# Altium PCB ToucanEyePCB.PcbDoc (part 1 of 5) (continued)
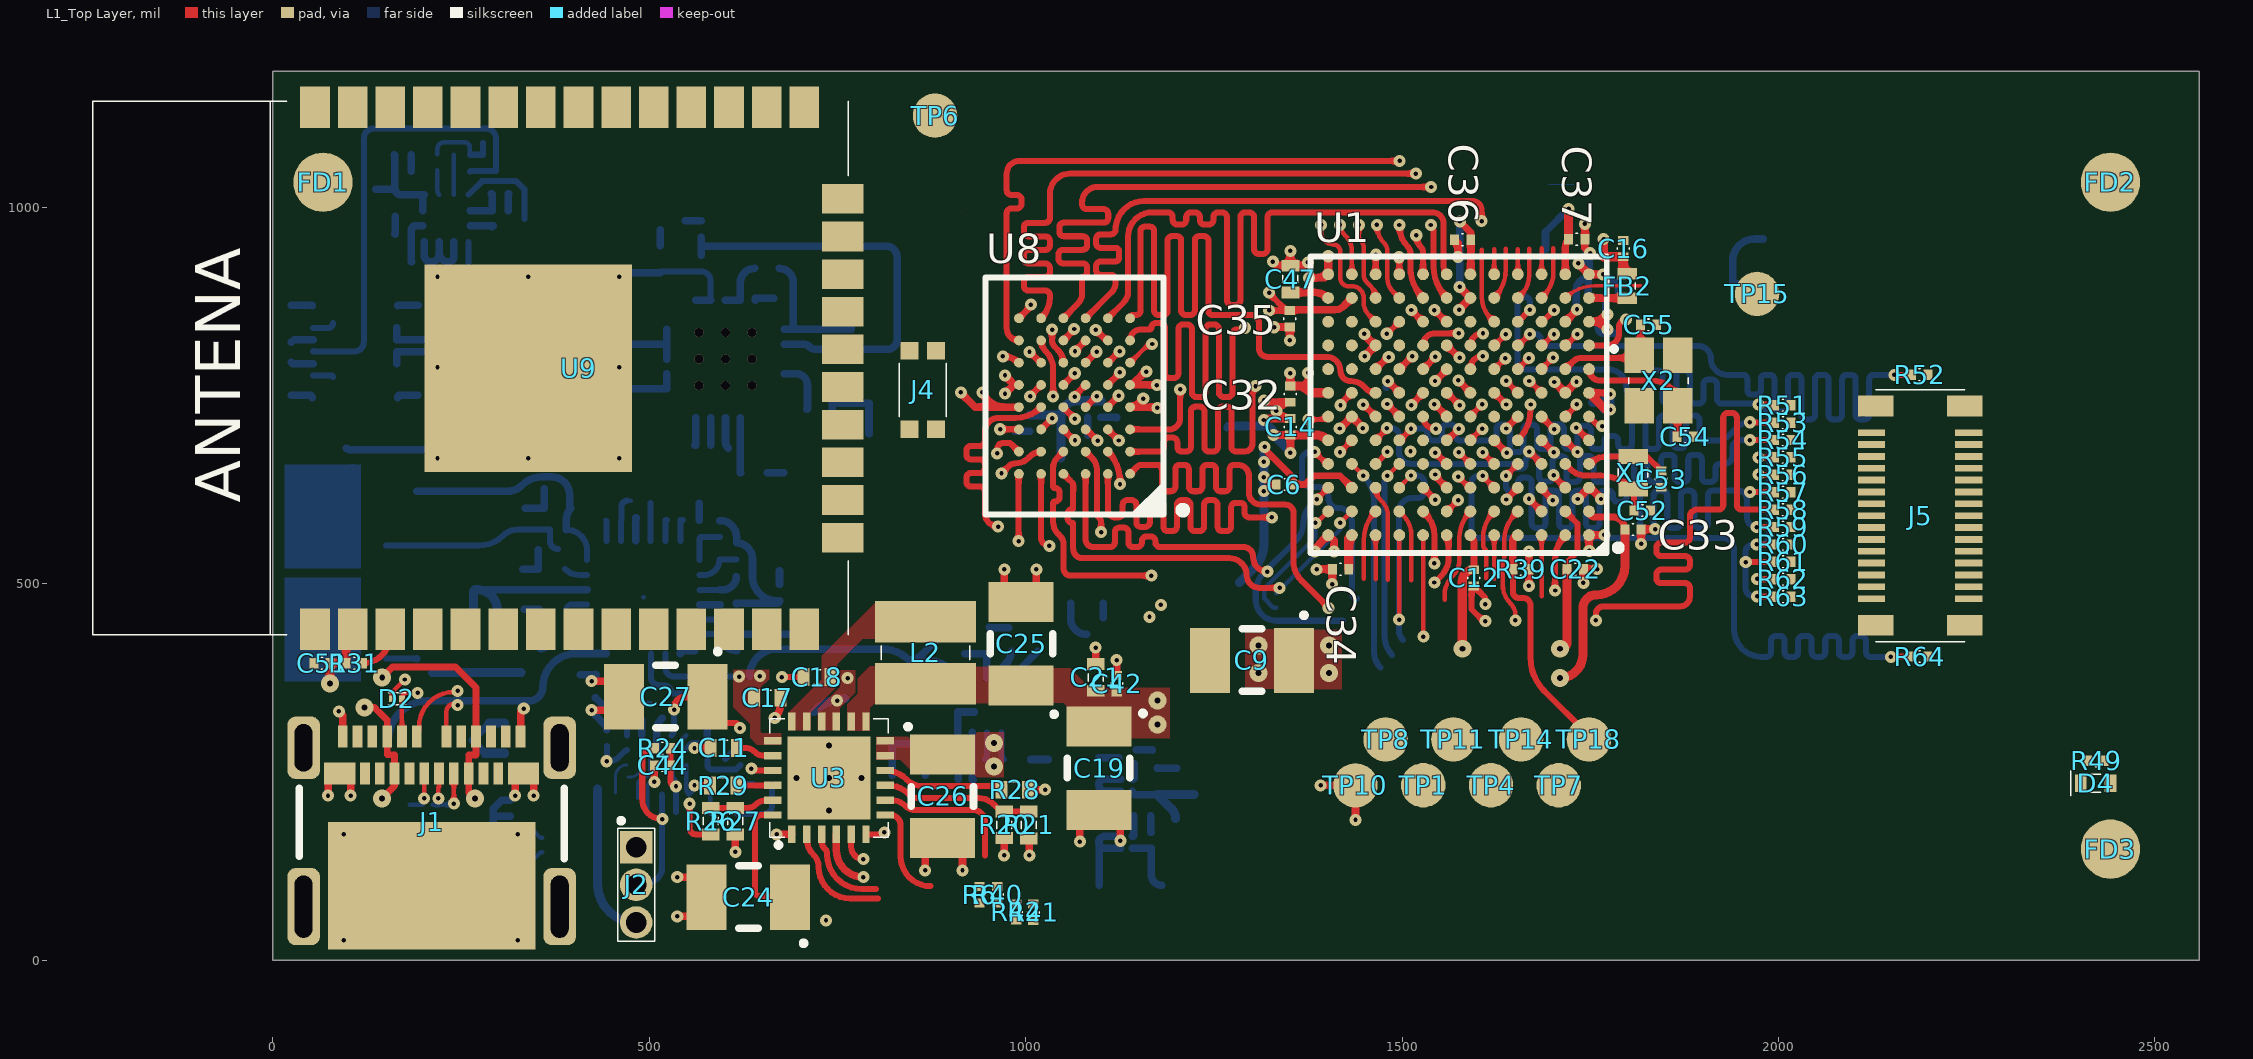
[diagram p0: L1_Top Layer view]
## Part data (continued)
C16: "10000pF ±10% 10V X7R Ceramic Capacitor -55°C ~ 125°C Surface Mount, MLCC 0201 (0603 Metric) 0.024\" L x 0.012\" W (0.60mm x 0.30mm)", Capacitance=10nF, Case/Package=0201, Case Code (Metric)=0603, Dielectric=X7R, Manufacturer=TDK, Manufacturer Part Number=CGA1A2X7R1A103K030BA, Max Operating Temperature=125°C, Min Operating Temperature=-55°C, Package Quantity=15000, Supplier Part Number 1=810-CGA1A2X7R1A103KA, Tolerance=10%, Voltage Rating=10V, *PCBChecked=1, *SCHChecked=1, Case Code (Imperial)=0201, ComponentLink1Description=http://www.mouser.com/ds/2/400/lcc_automotive_general_en-843974.pdf, ComponentLink1URL=http://www.mouser.com/ds/2/400/lcc_automotive_general_en-843974.pdf, ComponentLink2Description=http://product.tdk.com/capacitor/mlcc/en/documents/mlcc_automotive_general_en.pdf, ComponentLink2URL=http://product.tdk.com/capacitor/mlcc/en/documents/mlcc_automotive_general_en.pdf, ComponentLink3Description=https://product.tdk.com/info/en/catalog/datasheets/mlcc_automotive_general_en.pdf, ComponentLink3URL=https://product.tdk.com/info/en/catalog/datasheets/mlcc_automotive_general_en.pdf, Height=0.3mm, Length=0.024inch, Mount="Surface Mount", Packaging="Tape and Reel", Pricing 1="1=0.11, 10=0.075, 50=0.075, 100=0.03, 1000=0.02, 10000=0.015 (USD)", Stock 1=84981, Supplier 1=Mouser, Termination=SMD/SMT, Thickness=0.012inch, Voltage Rating (DC)=10V, Weight=6E-06oz, Width=0.012inch
C17 C47: "2.2µF 25V Ceramic Capacitor X5R 0402 (1005 Metric) 0.039\" L x 0.020\" W (1.00mm x 0.50mm)", Capacitance=2.2uF, Case/Package=0402, Case Code (Metric)=1005, Dielectric=X5R, Manufacturer=Murata, Manufacturer Part Number=GRT155R61E225KE13D, Max Operating Temperature=85°C, Min Operating Temperature=-55°C, Supplier Part Number 1=81-GRT155R61E225KE3D, Tolerance=10%, Voltage Rating=25V, *PCBChecked=1, *SCHChecked=1, Case Code (Imperial)=0402, ComponentLink1Description=http://search.murata.co.jp/Ceramy/image/img/A01X/G101/ENG/GRT155R61E225KE13-01.pdf, ComponentLink1URL=http://search.murata.co.jp/Ceramy/image/img/A01X/G101/ENG/GRT155R61E225KE13-01.pdf, Length=0.039inch, Mount="Surface Mount", Packaging="Cut Tape", Stock 1=15349, Supplier 1=Mouser, Thickness=0.022inch, Voltage Rating (DC)=25V, Width=0.02inch
C18 C28: "Multilayer Ceramic Capacitors MLCC - SMD/SMT .033uF 25Volts 10%", Capacitance=33nF, Case/Package=0402, Case Code (Metric)=1005, Dielectric=X7R, Manufacturer=Murata, Manufacturer Part Number=GCM155R71E333KA55D, Max Operating Temperature=125°C, Min Operating Temperature=-55°C, Package Quantity=10000, Supplier Part Number 1=81-GCM155R71E333KA5D, Tolerance=10%, Voltage Rating=25V, *PCBChecked=1, *SCHChecked=1, Case Code (Imperial)=0402, ComponentLink1Description=https://datasheet.ciiva.com/17453/product-17453653.pdf, ComponentLink1URL=https://datasheet.ciiva.com/17453/product-17453653.pdf, ComponentLink2Description=https://datasheet.ciiva.com/16440/s0717e-16440394.pdf, ComponentLink2URL=https://datasheet.ciiva.com/16440/s0717e-16440394.pdf, ComponentLink3Description=https://datasheet.ciiva.com/164/s0717e-164723.pdf, ComponentLink3URL=https://datasheet.ciiva.com/164/s0717e-164723.pdf, Depth=0.5mm, Height=0.5mm, Lead Free="Lead Free", Length=1mm, Mount="Surface Mount", Packaging="Tape and Reel", Pricing 1="1=0.11, 10=0.091, 50=0.091, 100=0.04, 1000=0.023, 10000=0.015 (USD)", Radiation Hardening=No, REACH SVHC="No SVHC", Stock 1=88789, Supplier 1=Mouser, Termination=SMD/SMT, Thickness=0.022inch, Voltage Rating (DC)=25V, Width=0.02inch
C52 C53: "Multilayer Ceramic Capacitors MLCC - SMD/SMT 0201 5.6pF 50volts C0G +/-0.1pF", Capacitance=5.6pF, Case/Package=0201, Case Code (Metric)=0603, Dielectric=C0G, Manufacturer=Murata, Manufacturer Part Number=GRM0335C1H5R6BA01D, Max Operating Temperature=125°C, Min Operating Temperature=-55°C, Package Quantity=15000, Supplier Part Number 1=81-GRM0335C1H5R6BA1D, Voltage Rating=50V, *PCBChecked=1, *SCHChecked=1, Case Code (Imperial)=0201, ComponentLink1Description=https://datasheet.ciiva.com/29538/partnumbering-e-01-29538488.pdf, ComponentLink1URL=https://datasheet.ciiva.com/29538/partnumbering-e-01-29538488.pdf, Depth=0.3mm, Height=0.3mm, Length=0.6mm, Mount="Surface Mount", Packaging="Tape and Reel", Pricing 1="1=0.1, 10=0.018, 50=0.018, 100=0.008, 1000=0.005, 10000=0.003 (USD)", Stock 1=70824, Supplier 1=Mouser, Termination=SMD/SMT, Thickness=0.013inch, Voltage Rating (DC)=50V, Width=0.012inch
C54 C55: "CAP CER 6.8PF 25V NP0 0201", Capacitance=6.8pF, Case/Package=0201, Case Code (Metric)=0603, Dielectric=C0G, Manufacturer=Murata, Manufacturer Part Number=GJM0335C1E6R8CB01D, Max Operating Temperature=125°C, Min Operating Temperature=-55°C, Package Quantity=1, Supplier Part Number 1=81-GJM0335C1E6R8CB01, Voltage Rating=25V, *PCBChecked=1, *SCHChecked=1, Case Code (Imperial)=0201, ComponentLink1Description=https://datasheet.ciiva.com/11611/product-11611316.pdf, ComponentLink1URL=https://datasheet.ciiva.com/11611/product-11611316.pdf, ComponentLink2Description=https://datasheet.ciiva.com/133/partnumbering-e-01-133418.pdf, ComponentLink2URL=https://datasheet.ciiva.com/133/partnumbering-e-01-133418.pdf, ComponentLink3Description=https://datasheet.ciiva.com/133/partnumbering-e-01-133419.pdf, ComponentLink3URL=https://datasheet.ciiva.com/133/partnumbering-e-01-133419.pdf, ComponentLink4Description=https://datasheet.ciiva.com/11611/product-11611254.pdf, ComponentLink4URL=https://datasheet.ciiva.com/11611/product-11611254.pdf, ComponentLink5Description=https://datasheet.ciiva.com/133/partnumbering-e-01-133417.pdf, ComponentLink5URL=https://datasheet.ciiva.com/133/partnumbering-e-01-133417.pdf, Depth=0.3mm, Height=0.3mm, Lead Free="Lead Free", Length=0.6mm, Mount="Surface Mount", Packaging="Tape and Reel", Pricing 1="1=0.1, 10=0.045, 50=0.045, 100=0.02, 1000=0.011, 10000=0.008 (USD)", Radiation Hardening=No, Stock 1=86677, Supplier 1=Mouser, Termination=SMD/SMT, Thickness=0.013inch, Voltage Rating (DC)=25V, Width=0.3mm
C56 C63: "10µF 6.3V Ceramic Capacitor X6S 0402 (1005 Metric) 0.039\" L x 0.020\" W (1.00mm x 0.50mm)", Capacitance=10uF, Case/Package=0402, Case Code (Metric)=1005, Dielectric=X6S, Manufacturer=Murata, Manufacturer Part Number=GRM155C80J106ME11D, Max Operating Temperature=105°C, Min Operating Temperature=-55°C, Supplier Part Number 1=81-GRM155C80J106ME1D, Tolerance=20%, Voltage Rating=6.3V, *PCBChecked=1, *SCHChecked=1, Case Code (Imperial)=0402, ComponentLink1Description=http://search.murata.co.jp/Ceramy/image/img/A01X/partnumbering_e_01.pdf, ComponentLink1URL=http://search.murata.co.jp/Ceramy/image/img/A01X/partnumbering_e_01.pdf, Length=0.039inch, Mount="Surface Mount", Packaging="Tape and Reel", Pricing 1="1=0.17, 10=0.125, 50=0.125, 100=0.059, 1000=0.034, 10000=0.024 (USD)", Stock 1=134415, Supplier 1=Mouser, Thickness=0.028inch, Voltage Rating (DC)=6.3V, Width=0.02inch
D2 D3: "ESD Suppressor TVS 30KV 2-Pin Case 0201 T/R", Capacitance=12pF, Case/Package=0201, Case Code (Metric)=0603, Leakage Current=100nA, Manufacturer=STMicroelectronics, Max Operating Temperature=150°C, Min Breakdown Voltage=5.8V, Min Operating Temperature=-40°C, Peak Pulse Power=28W, Power Line Protection=No, Reverse Standoff Voltage=5V, Supplier Part Number 1=511-ESDALC5-1BF4, *PCBChecked=1, *SCHChecked=1, Case Code (Imperial)=0201, ComponentLink1Description=https://datasheet.ciiva.com/48533/dm00078968-48533403.pdf, ComponentLink1URL=https://datasheet.ciiva.com/48533/dm00078968-48533403.pdf, Depth=0.3mm, Direction=Bidirectional, Element Configuration=Single, Length=0.6mm, Manufacturer Part Number=ESDALC5-1BF4, Mount="Surface Mount", Number of Bidirectional Channels=1, Number of Pins=2, Packaging="Tape and Reel", Pricing 1="1=0.46, 10=0.296, 50=0.296, 100=0.127, 1000=0.098, 10000=0.066 (USD)", Radiation Hardening=No, Stock 1=11255, Supplier 1=Mouser
D4: Manufacturer=Bivar, Supplier Part Number 1=749-SM0402PGC, *PCBChecked=1, *SCHChecked=1, Manufacturer Part Number=SM0402PGC, Pricing 1="1=0.68, 10=0.44, 50=0.44, 100=0.379, 1000=0.228, 10000=0.184 (USD)", Stock 1=3948, Supplier 1=Mouser
FB1: "Ferrite Beads Multi-Layer 120Ohm 25% 100MHz 2A 50mOhm DCR 0603 Paper T/R", Case/Package=0603, Case Code (Metric)=1608, Current Rating=2A, DC Resistance (DCR)=50mR, Frequency=100MHz, Manufacturer=Murata, Max Operating Temperature=125°C, Min Operating Temperature=-55°C, Package Quantity=1, Supplier Part Number 1=81-BLM18PG121SN1D, Tolerance=25%, *PCBChecked=1, *SCHChecked=1, Case Code (Imperial)=0603, ComponentLink1Description=https://datasheet.ciiva.com/3854/5emiapbde-1-3854039.pdf, ComponentLink1URL=https://datasheet.ciiva.com/3854/5emiapbde-1-3854039.pdf, ComponentLink2Description=https://datasheet.ciiva.com/11799/0900766b81275ca5-11799546.pdf, ComponentLink2URL=https://datasheet.ciiva.com/11799/0900766b81275ca5-11799546.pdf, ComponentLink3Description=https://datasheet.ciiva.com/19454/1845013-19454715.pdf, ComponentLink3URL=https://datasheet.ciiva.com/19454/1845013-19454715.pdf, ComponentLink4Description=https://datasheet.ciiva.com/5709/1740433-5709171.pdf, ComponentLink4URL=https://datasheet.ciiva.com/5709/1740433-5709171.pdf, ComponentLink5Description=https://datasheet.ciiva.com/29347/442365-da-01-en-chip-drossel-0603-120r-2000ma-1-6x0-8mm-29347911.pdf, ComponentLink5URL=https://datasheet.ciiva.com/29347/442365-da-01-en-chip-drossel-0603-120r-2000ma-1-6x0-8mm-29347911.pdf, ComponentLink6Description=https://datasheet.ciiva.com/14122/blm-series-eng-tds-14122905.pdf, ComponentLink6URL=https://datasheet.ciiva.com/14122/blm-series-eng-tds-14122905.pdf, ComponentLink7Description=https://datasheet.ciiva.com/25903/l0110s0100blm18p-25903483.pdf, ComponentLink7URL=https://datasheet.ciiva.com/25903/l0110s0100blm18p-25903483.pdf, ComponentLink8Description=https://datasheet.ciiva.com/6212/l0110s0100blm18p-6212504.pdf, ComponentLink8URL=https://datasheet.ciiva.com/6212/l0110s0100blm18p-6212504.pdf, ComponentLink9Description=https://datasheet.ciiva.com/6212/l0110s0100blm18p-6212502.pdf, ComponentLink9URL=https://datasheet.ciiva.com/6212/l0110s0100blm18p-6212502.pdf, ComponentLink10Description=https://datasheet.ciiva.com/8021/1740433-8021493.pdf, ComponentLink10URL=https://datasheet.ciiva.com/8021/1740433-8021493.pdf, ComponentLink11Description=https://datasheet.ciiva.com/3081/l0110s0100blm18p-3081632.pdf, ComponentLink11URL=https://datasheet.ciiva.com/3081/l0110s0100blm18p-3081632.pdf, ComponentLink12Description=https://datasheet.ciiva.com/8021/1740433-8021494.pdf, ComponentLink12URL=https://datasheet.ciiva.com/8021/1740433-8021494.pdf, ComponentLink13Description=https://datasheet.ciiva.com/41449/001172297-da-01-en-drossel-0603-120r-1-6x0-8mm-4000st-41449659.pdf, ComponentLink13URL=https://datasheet.ciiva.com/41449/001172297-da-01-en-drossel-0603-120r-1-6x0-8mm-4000st-41449659.pdf, Core Material=Ferrite, DC Current=2A, Depth=0.8mm, Height=0.8mm, Impedance=120R, Lead Free="Lead Free", Length=1.6mm, Manufacturer Part Number=BLM18PG-121SN1D, Material=Steel,Ferrite, Max Current Rating=2A, Max DC Current=2A, Number of Circuits=1, Number of Lines=1, Number of Pins=2, Packaging="Tape and Reel", Pricing 1="1=0.1, 10=0.06, 50=0.06, 100=0.035, 1000=0.025, 10000=0.021 (USD)", Radiation Hardening=No, REACH SVHC="No SVHC", Shielding=Unshielded, Stock 1=217227, Supplier 1=Mouser, Termination=SMD/SMT, Test Frequency=100MHz, Width=0.8mm
FB2: "MURATA         BLM15AG121SN1D             FERRITE BEAD, 0.25OHM, 500MA, 0402", Case/Package=0402, Case Code (Metric)=1005, Current Rating=550mA, DC Current=500mA, DC Resistance (DCR)=190mR, Frequency=100MHz, Manufacturer=Murata, Max Operating Temperature=125°C, Min Operating Temperature=-55°C, Package Quantity=1, Supplier Part Number 1=81-BLM15AG121SN1D, Tolerance=25%, *PCBChecked=1, *SCHChecked=1, Case Code (Imperial)=0402, ComponentLink1Description=https://datasheet.ciiva.com/34302/1844660-34302798.pdf, ComponentLink1URL=https://datasheet.ciiva.com/34302/1844660-34302798.pdf, ComponentLink2Description=https://datasheet.ciiva.com/18090/getdatasheetpartid-210548-18090179.pdf, ComponentLink2URL=https://datasheet.ciiva.com/18090/getdatasheetpartid-210548-18090179.pdf, ComponentLink3Description=https://datasheet.ciiva.com/11800/0900766b811b5866-11800861.pdf, ComponentLink3URL=https://datasheet.ciiva.com/11800/0900766b811b5866-11800861.pdf, ComponentLink4Description=https://datasheet.ciiva.com/41449/001172160-da-01-en-drossel-0402-120r-1-0x0-5mm-10000st-41449449.pdf, ComponentLink4URL=https://datasheet.ciiva.com/41449/001172160-da-01-en-drossel-0402-120r-1-0x0-5mm-10000st-41449449.pdf, ComponentLink5Description=https://datasheet.ciiva.com/29347/442175-da-01-en-chip-drossel-0402-120r-500ma-1-0x0-5mm-29347874.pdf, ComponentLink5URL=https://datasheet.ciiva.com/29347/442175-da-01-en-chip-drossel-0402-120r-500ma-1-0x0-5mm-29347874.pdf, ComponentLink6Description=https://datasheet.ciiva.com/6212/l0110s0100blm15ag-sn-6212527.pdf, ComponentLink6URL=https://datasheet.ciiva.com/6212/l0110s0100blm15ag-sn-6212527.pdf, ComponentLink7Description=https://datasheet.ciiva.com/14122/blm-series-eng-tds-14122927.pdf, ComponentLink7URL=https://datasheet.ciiva.com/14122/blm-series-eng-tds-14122927.pdf, ComponentLink8Description=https://datasheet.ciiva.com/3081/l0110s0100blm15ag-sn-3081599.pdf, ComponentLink8URL=https://datasheet.ciiva.com/3081/l0110s0100blm15ag-sn-3081599.pdf, ComponentLink9Description=https://datasheet.ciiva.com/3081/l0110s0100blm15ag-sn-3081598.pdf, ComponentLink9URL=https://datasheet.ciiva.com/3081/l0110s0100blm15ag-sn-3081598.pdf, ComponentLink10Description=https://datasheet.ciiva.com/1466/5144-1466741.pdf, ComponentLink10URL=https://datasheet.ciiva.com/1466/5144-1466741.pdf, ComponentLink11Description=https://datasheet.ciiva.com/1466/5144-1466740.pdf, ComponentLink11URL=https://datasheet.ciiva.com/1466/5144-1466740.pdf, ComponentLink12Description=https://datasheet.ciiva.com/17279/l0110s0100blm15ag-sn-17279627.pdf, ComponentLink12URL=https://datasheet.ciiva.com/17279/l0110s0100blm15ag-sn-17279627.pdf, ComponentLink13Description=https://datasheet.ciiva.com/6212/l0110s0100blm15ag-sn-6212533.pdf, ComponentLink13URL=https://datasheet.ciiva.com/6212/l0110s0100blm15ag-sn-6212533.pdf, Core Material=Ferrite, Depth=0.55mm, Height=0.5mm, Impedance=120R, Lead Free="Lead Free", Length=1mm, Manufacturer Part Number=BLM15AG121SN1D, Material=Steel,Ferrite, Max Current Rating=550mA, Max DC Current=500mA, Military Standard=Not, Number of Circuits=1, Number of Lines=1, Number of Pins=2, Packaging="Tape and Reel", Pricing 1="1=0.1, 10=0.06, 50=0.06, 100=0.035, 1000=0.025, 10000=0.02 (USD)", Radiation Hardening=No, REACH SVHC="No SVHC", Shielding=Unshielded, Stock 1=102744, Supplier 1=Mouser, Termination=SMD/SMT, Test Frequency=100MHz, Width=0.5mm
FB3 FB4: "MURATA         BLM18EG121SN1D            FERRITE BEAD, 0.04OHM, 2A, 0603", Case/Package=0603, Case Code (Metric)=1608, Current Rating=2A, DC Resistance (DCR)=40mR, Frequency=100MHz, Manufacturer=Murata, Max Operating Temperature=125°C, Min Operating Temperature=-55°C, Package Quantity=1, Supplier Part Number 1=81-BLM18EG121SN1D, Tolerance=25%, *PCBChecked=1, *SCHChecked=1, Case Code (Imperial)=0603, ComponentLink1Description=https://datasheet.ciiva.com/34302/1844926-34302803.pdf, ComponentLink1URL=https://datasheet.ciiva.com/34302/1844926-34302803.pdf, ComponentLink2Description=https://datasheet.ciiva.com/11795/0900766b811b5866-11795397.pdf, ComponentLink2URL=https://datasheet.ciiva.com/11795/0900766b811b5866-11795397.pdf, ComponentLink3Description=https://datasheet.ciiva.com/41449/001172264-da-01-en-drossel-0603-120r-1-6x0-8mm-4000st-41449582.pdf, ComponentLink3URL=https://datasheet.ciiva.com/41449/001172264-da-01-en-drossel-0603-120r-1-6x0-8mm-4000st-41449582.pdf, ComponentLink4Description=https://datasheet.ciiva.com/41449/001171698-da-01-en-chip-drossel0603-120r-2000ma-1-6x0-8mm-41449378.pdf, ComponentLink4URL=https://datasheet.ciiva.com/41449/001171698-da-01-en-chip-drossel0603-120r-2000ma-1-6x0-8mm-41449378.pdf, ComponentLink5Description=https://datasheet.ciiva.com/14122/blm-series-eng-tds-14122904.pdf, ComponentLink5URL=https://datasheet.ciiva.com/14122/blm-series-eng-tds-14122904.pdf, ComponentLink6Description=https://datasheet.ciiva.com/3081/l0110s0101blm18e-3081624.pdf, ComponentLink6URL=https://datasheet.ciiva.com/3081/l0110s0101blm18e-3081624.pdf, ComponentLink7Description=https://datasheet.ciiva.com/17279/l0110s0101blm18e-17279548.pdf, ComponentLink7URL=https://datasheet.ciiva.com/17279/l0110s0101blm18e-17279548.pdf, ComponentLink8Description=https://datasheet.ciiva.com/18092/getdatasheetpartid-120977-18092965.pdf, ComponentLink8URL=https://datasheet.ciiva.com/18092/getdatasheetpartid-120977-18092965.pdf, ComponentLink9Description=https://datasheet.ciiva.com/1467/5169-1467155.pdf, ComponentLink9URL=https://datasheet.ciiva.com/1467/5169-1467155.pdf, ComponentLink10Description=https://datasheet.ciiva.com/1467/5169-1467156.pdf, ComponentLink10URL=https://datasheet.ciiva.com/1467/5169-1467156.pdf, ComponentLink11Description=https://datasheet.ciiva.com/16387/l0110s0101blm18e-16387655.pdf, ComponentLink11URL=https://datasheet.ciiva.com/16387/l0110s0101blm18e-16387655.pdf, ComponentLink12Description=https://datasheet.ciiva.com/6211/l0110s0101blm18e-6211463.pdf, ComponentLink12URL=https://datasheet.ciiva.com/6211/l0110s0101blm18e-6211463.pdf, Core Material=Ferrite, DC Current=2A, Depth=0.8mm, Height=0.8mm, Impedance=120R, Lead Free="Lead Free", Length=1.6mm, Manufacturer Part Number=BLM18EG121SN1D, Material=Steel,Ferrite, Max Current Rating=2A, Max DC Current=2A, Military Standard=Not, Number of Circuits=1, Number of Lines=1, Number of Pins=2, Packaging="Tape and Reel", Pricing 1="1=0.23, 10=0.134, 50=0.134, 100=0.095, 1000=0.073, 10000=0.058 (USD)", Radiation Hardening=No, REACH SVHC="No SVHC", Stock 1=9180, Supplier 1=Mouser, Termination=SMD/SMT, Test Frequency=100MHz, Weight=7.1E-05oz, Width=0.8mm
J1: "MOLEX         105450-0101             USB Connector, USB Type C, USB 3.1, Receptacle, 24 Ways, Surface Mount, Right Angle", Manufacturer=Molex, Max Operating Temperature=85°C, Min Operating Temperature=-30°C, Supplier Part Number 1=538-105450-0101, *PCBChecked=1, *SCHChecked=1, ComponentLink1Description=http://www.farnell.com/datasheets/2015275.pdf, ComponentLink1URL=http://www.farnell.com/datasheets/2015275.pdf, ComponentLink2Description=http://www.literature.molex.com/SQLImages/kelmscott/Molex/PDF_Images/987651-4081.PDF, ComponentLink2URL=http://www.literature.molex.com/SQLImages/kelmscott/Molex/PDF_Images/987651-4081.PDF, ComponentLink3Description=http://www.molex.com/pdm_docs/sd/1054500101_sd.pdf, ComponentLink3URL=http://www.molex.com/pdm_docs/sd/1054500101_sd.pdf, Connector Type="USB type C", Contact Material="Copper Alloy", Contact Plating=Nickel,Gold, Gender=Receptacle, Housing Material=Thermoplastic, Length=8.94mm, Manufacturer Part Number=105450-0101, Mount="Surface Mount,Horizontal", Number of Contacts=24, Number of Ports=1, Number of Terminals=24, Orientation="Right Angle", Packaging="Tape and Reel", Pitch=0.5mm, Pricing 1="1=1.87, 10=1.69, 50=1.69, 100=1.54, 1000=1.31, 10000=1.02 (USD)", REACH SVHC=Unknown, Stock 1=15165, Supplier 1=Mouser, Termination=Solder, USB Standard="USB 3.1"
J3: "CONN RCPT 10POS 0.4MM SMD GOLD", Manufacturer=Hirose, Package Quantity=1, Supplier Part Number 1=798-BM10NB0610DS4V51, *PCBChecked=1, *SCHChecked=1, ComponentLink1Description=http://www.mouser.com/catalog/specsheets/BM10_Flyer.pdf, ComponentLink1URL=http://www.mouser.com/catalog/specsheets/BM10_Flyer.pdf, ComponentLink2Description=https://www.hirose.com/product/download/?distributor=digikey&type=2d&lang=en&num=BM10NB(0.6)-10DS-0.4V(51), ComponentLink2URL=https://www.hirose.com/product/download/?distributor=digikey&type=2d&lang=en&num=BM10NB(0.6)-10DS-0.4V(51), Connector Type=Receptacle, Contact Plating=Gold, Manufacturer Part Number=BM10NB(0.6)-10DS-0.4V(51), Mount="Surface Mount", Number of Positions=10, Number of Rows=2, Packaging="Tape and Reel", Pitch=0.016inch, Pricing 1="1=0.63, 10=0.501, 50=0.501, 100=0.414, 1000=0.326, 10000=0.263 (USD)", Stack Height=0.6mm, Stock 1=3831, Supplier 1=Mouser, Termination=SMD/SMT
J4: "Tactile Switch SPST-NO Top Actuated Surface Mount", Manufacturer=Panasonic, Max Operating Temperature=85°C, Min Operating Temperature=-40°C, Operating Force=160gf, Supplier Part Number 1=667-EVP-BB2A9B000, *PCBChecked=1, *SCHChecked=1, ComponentLink1Description=//media.digikey.com/pdf/Data%20Sheets/Panasonic%20Switches%20PDFs/EVP-BB_Series_NPI.pdf, ComponentLink1URL=//media.digikey.com/pdf/Data%20Sheets/Panasonic%20Switches%20PDFs/EVP-BB_Series_NPI.pdf, Illumination Type=Non-Illuminated, Lead Free="Lead Free", Manufacturer Part Number=EVP-BB2A9B000, Mechanical Life=500000Cycles, Mount="Surface Mount", Packaging="Tape and Reel", Pricing 1="1=0.7, 10=0.528, 50=0.528, 100=0.462, 1000=0.32, 10000=0.266 (USD)", Stock 1=15065, Supplier 1=Mouser, Switch Function=Off-Mom, Switch Travel=0.11mm, Termination="Gull Wing", Throw Configuration=SPST
J5: "CONN SOCKET F4S .4MM 30POS SMD", Contact Resistance=90mR, Current Rating=300mA, Insulation Resistance=1GR, Manufacturer=Panasonic, Max Current Rating=5A, Max Operating Temperature=85°C, Max Voltage Rating (AC)=60V, Min Operating Temperature=-55°C, Package Quantity=1, Supplier Part Number 1=769-AXT530124, *PCBChecked=1, *SCHChecked=1, ComponentLink1Description=http://components.arrow.com/part/dataview/0323_03238060, ComponentLink1URL=http://components.arrow.com/part/dataview/0323_03238060, ComponentLink2Description=http://components.arrow.com/part/dataview/46992153S8061598N2972, ComponentLink2URL=http://components.arrow.com/part/dataview/46992153S8061598N2972, ComponentLink3Description=http://www.mouser.com/ds/2/315/f4s-catalog-1075850.pdf, ComponentLink3URL=http://www.mouser.com/ds/2/315/f4s-catalog-1075850.pdf, ComponentLink4Description=http://www.onlinecomponents.com/datasheet/axt530124.aspx?p=10552986, ComponentLink4URL=http://www.onlinecomponents.com/datasheet/axt530124.aspx?p=10552986, ComponentLink5Description=https://www.verical.com/server-webapp/html/getDatasheet?partID=80226, ComponentLink5URL=https://www.verical.com/server-webapp/html/getDatasheet?partID=80226, ComponentLink6Description=http://www3.panasonic.biz/ac/e_download/control/connector/base-fpc/catalog/con_eng_f4s.pdf, ComponentLink6URL=http://www3.panasonic.biz/ac/e_download/control/connector/base-fpc/catalog/con_eng_f4s.pdf, ComponentLink7Description=http://panasonic-denko.co.jp/ac/e_download/control/connector/base-fpc/catalog/con_eng_f4s.pdf?via=ok, ComponentLink7URL=http://panasonic-denko.co.jp/ac/e_download/control/connector/base-fpc/catalog/con_eng_f4s.pdf?via=ok, Connector Type=Socket, Contact Material="Copper Alloy", Contact Plating=Nickel,Gold, Depth=3mm, Housing Material=Polymer, Lead Free="Lead Free", Length=8.5mm, Manufacturer Part Number=AXT530124, Max Voltage Rating (DC)=60V, Mount="Surface Mount", Number of Contacts=30, Number of Positions=30, Number of Rows=2, Orientation=Straight, Packaging="Tape and Reel", Pitch=0.4mm, Pricing 1="1=2.05, 10=1.75, 50=1.75, 100=1.45, 1000=1.14, 10000=1.02 (USD)", Radiation Hardening=No, Stock 1=5060, Supplier 1=Mouser, Termination=Solder, Voltage Rating=60V
L1: "WURTH ELEKTRONIK         74438334010            Surface Mount Power Inductor, WE-MAPI Series, 1 H,  20%, Shielded, 0.0505 ohm, 2.75 A", Case/Package=SMD/SMT, Case Code (Imperial)=1212, Case Code (Metric)=3030, Current Rating=2.75A, DC Resistance (DCR)=50.5mR, Inductance=1uH, Inductance Tolerance=20%, Manufacturer="Wurth Electronics", Manufacturer Part Number=74438334010, Max Operating Temperature=125°C, Min Operating Temperature=-40°C, Package Quantity=1000, Saturation Current=6.6A, Self Resonant Frequency=80MHz, Series Resistance=42.1mR, Supplier Part Number 1=710-74438334010, Test Frequency=100kHz, *PCBChecked=1, *SCHChecked=1, ComponentLink1Description=https://datasheet.ciiva.com/23954/1754798-23954760.pdf, ComponentLink1URL=https://datasheet.ciiva.com/23954/1754798-23954760.pdf, ComponentLink2Description=https://datasheet.ciiva.com/24213/74438334010-268062-24213867.pdf, ComponentLink2URL=https://datasheet.ciiva.com/24213/74438334010-268062-24213867.pdf, ComponentLink3Description=https://datasheet.ciiva.com/29696/74438334010-29696486.pdf, ComponentLink3URL=https://datasheet.ciiva.com/29696/74438334010-29696486.pdf, ComponentLink4Description=https://datasheet.ciiva.com/30489/0900766b812968ea-30489189.pdf, ComponentLink4URL=https://datasheet.ciiva.com/30489/0900766b812968ea-30489189.pdf, ComponentLink5Description=https://datasheet.ciiva.com/29696/74438334010-29696487.pdf, ComponentLink5URL=https://datasheet.ciiva.com/29696/74438334010-29696487.pdf, ComponentLink6Description=https://datasheet.ciiva.com/22748/1754798-22748266.pdf, ComponentLink6URL=https://datasheet.ciiva.com/22748/1754798-22748266.pdf, ComponentLink7Description=https://datasheet.ciiva.com/29696/74438334010-29696488.pdf, ComponentLink7URL=https://datasheet.ciiva.com/29696/74438334010-29696488.pdf, Core Material=Ferrite,Metal,Composite, Depth=3mm, Height=1.2mm, Height - Seated (Max)=0.047inch, Length=3mm, Max DC Current=2.75A, Mount="Surface Mount", Packaging="Tape and Reel", Pricing 1="1=1.13, 10=1.1, 50=1.03, 100=0.961, 1000=0.813, 10000=0.813 (USD)", REACH SVHC=Unknown, RMS Current (Irms)=2.75A, Shielding=Shielded, Stock 1=1206, Supplier 1=Mouser, Termination=SMD/SMT, Tolerance=20%, Width=0.118inch
L2: "WURTH ELEKTRONIK         74438336010             Surface Mount Power Inductor, WE-MAPI Series, 1 H, 4 A, 5 A, Shielded, 0.032 ohm", Case/Package=SMD/SMT, Case Code (Imperial)=1212, Case Code (Metric)=3030, Current Rating=4A, DC Resistance (DCR)=32mR, Inductance=1uH, Inductance Tolerance=20%, Manufacturer="Wurth Electronics", Manufacturer Part Number=74438336010, Max Operating Temperature=125°C, Min Operating Temperature=-40°C, Package Quantity=1000, Saturation Current=5A, Self Resonant Frequency=67MHz, Supplier Part Number 1=710-74438336010, Test Frequency=100kHz, *PCBChecked=1, *SCHChecked=1, ComponentLink1Description=http://www.mouser.com/ds/2/445/74438336010-370092.pdf, ComponentLink1URL=http://www.mouser.com/ds/2/445/74438336010-370092.pdf, ComponentLink2Description=http://www.farnell.com/datasheets/1850891.pdf, ComponentLink2URL=http://www.farnell.com/datasheets/1850891.pdf, Core Material=Ferrite,Metal,Composite, Height=2mm, Height - Seated (Max)=0.079inch, Length=0.118inch, Max DC Current=4A, Mount="Surface Mount", Number of Pins=2, Packaging="Tape and Reel", Pricing 1="1=1.45, 10=1.4, 50=1.32, 100=1.23, 1000=0.93, 10000=0.832 (USD)", REACH SVHC=Unknown, RMS Current (Irms)=4A, Shielding=Shielded, Stock 1=604, Supplier 1=Mouser, Termination=SMD/SMT, Tolerance=20%, Width=0.118inch
L3: "FIXED IND 6.2NH 760MA 83 MOHM", Case/Package=0402, Case Code (Metric)=1005, Current Rating=760mA, DC Resistance (DCR)=83mR, Frequency=250MHz, Inductance=6.2nh, Inductance Tolerance=5%, Manufacturer="Wurth Electronics", Max Operating Temperature=125°C, Min Operating Temperature=-40°C, Package Quantity=3000, Self Resonant Frequency=5.8GHz, Supplier Part Number 1=710-744765062A, *PCBChecked=1, *SCHChecked=1, Case Code (Imperial)=0402, ComponentLink1Description=https://datasheet.ciiva.com/11803/0900766b80f88b46-11803524.pdf, ComponentLink1URL=https://datasheet.ciiva.com/11803/0900766b80f88b46-11803524.pdf, ComponentLink2Description=https://datasheet.ciiva.com/6027/426746-6027077.pdf, ComponentLink2URL=https://datasheet.ciiva.com/6027/426746-6027077.pdf, ComponentLink3Description=https://datasheet.ciiva.com/1049/744765062a-1049024.pdf, ComponentLink3URL=https://datasheet.ciiva.com/1049/744765062a-1049024.pdf, ComponentLink4Description=https://datasheet.ciiva.com/4978/744765062a-58674-4978771.pdf, ComponentLink4URL=https://datasheet.ciiva.com/4978/744765062a-58674-4978771.pdf, ComponentLink5Description=https://datasheet.ciiva.com/26308/744765062a-eng-tds-26308299.pdf, ComponentLink5URL=https://datasheet.ciiva.com/26308/744765062a-eng-tds-26308299.pdf, ComponentLink6Description=https://datasheet.ciiva.com/7695/426746-7695834.pdf, ComponentLink6URL=https://datasheet.ciiva.com/7695/426746-7695834.pdf, Composition=Wirewound,Ceramic, Core Material=Ceramic, Depth=0.55mm, Height=0.5mm, Height - Seated (Max)=0.024inch, Length=1mm, Manufacturer Part Number=744765062A, Material=Ceramic, Max DC Current=760mA, Mount="Surface Mount", Number of Pins=2, Packaging="Tape and Reel", Pricing 1="1=0.41, 10=0.39, 50=0.363, 100=0.336, 1000=0.282, 10000=0.255 (USD)", Q Factor=23, REACH SVHC=Unknown, Resistance=83mR, Series Resistance=83mR, Shielding=Unshielded, Stock 1=1056, Supplier 1=Mouser, Termination=SMD/SMT, Test Frequency=250MHz, Tolerance=5%, Weight=2.3E-05oz, Width=0.55mm
Q1 Q2: "POWER MOSFET", Continuous Drain Current (ID)=9A, Drain to Source Voltage (Vdss)=30V, Input Capacitance=2.615nF, Manufacturer=STMicroelectronics, Max Operating Temperature=150°C, Max Power Dissipation=3W, Min Operating Temperature=-55°C, Supplier Part Number 1=511-STL9P3LLH6, *PCBChecked=1, *SCHChecked=1, ComponentLink1Description=http://www.st.com/content/ccc/resource/sales_and_marketing/promotional_material/brochure/group0/cb/7a/af/56/f7/bd/47/e9/Brochure%20Power%20management%20guide/files/Brochure_Power_Management.pdf/jcr:content/translations/en.Brochure_Power_Management.pdf, ComponentLink1URL=http://www.st.com/content/ccc/resource/sales_and_marketing/promotional_material/brochure/group0/cb/7a/af/56/f7/bd/47/e9/Brochure%20Power%20management%20guide/files/Brochure_Power_Management.pdf/jcr:content/translations/en.Brochure_Power_Management.pdf, Manufacturer Part Number=STL9P3LLH6, Mount="Surface Mount", Number of Pins=8, Packaging="Tape and Reel", Pricing 1="1=0.96, 10=0.812, 50=0.812, 100=0.624, 1000=0.435, 10000=0.372 (USD)", Rds On Max=15mR, Stock 1=2202, Supplier 1=Mouser
R1: "Thick Film Resistors - SMD 1/16watt 50Kohms 1% Non Standard", Case/Package=0402, Case Code (Metric)=1005, Manufacturer="Vishay Dale", Manufacturer Part Number=CRCW040250K0FKED, Max Operating Temperature=155°C, Min Operating Temperature=-55°C, Package Quantity=10000, Power Rating=63mW, Resistance=50kR, Supplier Part Number 1=71-CRCW0402-50K-E3, Tolerance=1%, Voltage Rating=50V, *PCBChecked=1, *SCHChecked=1, Case Code (Imperial)=0402, ComponentLink1Description=https://datasheet.ciiva.com/5600/dcrcwe3-109170-5600763.pdf, ComponentLink1URL=https://datasheet.ciiva.com/5600/dcrcwe3-109170-5600763.pdf, Composition="Thick Film", Height=0.35mm, Lead Free="Lead Free", Length=1mm, Packaging="Tape and Reel", Pricing 1="1=0.55, 10=0.296, 50=0.296, 100=0.169, 1000=0.119, 10000=0.107 (USD)", Stock 1=13958, Supplier 1=Mouser, Termination=SMD/SMT, Weight=2.3E-05oz, Width=0.5mm
R2: "Res Thick Film 0402 20K Ohm 1% 0.1W(1/10W) ±100ppm/C Molded SMD Automotive T/R", Case/Package=0402, Case Code (Metric)=1005, Manufacturer="Panasonic ECG", Manufacturer Part Number=ERJ-2RKF2002X, Max Operating Temperature=155°C, Max Power Dissipation=100mW, Min Operating Temperature=-55°C, Package Quantity=1, Resistance=20kR, Supplier Part Number 1=667-ERJ-2RKF2002X, Temperature Coefficient=100ppm/°C, Tolerance=1%, Voltage Rating=50V, *PCBChecked=1, *SCHChecked=1, Case Code (Imperial)=0402, ComponentLink1Description=https://datasheet.ciiva.com/11821/0900766b80f80784-11821220.pdf, ComponentLink1URL=https://datasheet.ciiva.com/11821/0900766b80f80784-11821220.pdf, ComponentLink2Description=https://datasheet.ciiva.com/24159/aoa0000ce2-24159274.pdf, ComponentLink2URL=https://datasheet.ciiva.com/24159/aoa0000ce2-24159274.pdf, ComponentLink3Description=https://datasheet.ciiva.com/6138/426256-6138761.pdf, ComponentLink3URL=https://datasheet.ciiva.com/6138/426256-6138761.pdf, ComponentLink4Description=https://datasheet.ciiva.com/16508/aoa0000ce2-16508524.pdf, ComponentLink4URL=https://datasheet.ciiva.com/16508/aoa0000ce2-16508524.pdf, ComponentLink5Description=https://datasheet.ciiva.com/30049/aoa0000ce2-30049982.pdf, ComponentLink5URL=https://datasheet.ciiva.com/30049/aoa0000ce2-30049982.pdf, ComponentLink6Description=https://datasheet.ciiva.com/16514/aoa0000ce2-16514269.pdf, ComponentLink6URL=https://datasheet.ciiva.com/16514/aoa0000ce2-16514269.pdf, ComponentLink7Description=https://datasheet.ciiva.com/16782/70260748-16782455.pdf, ComponentLink7URL=https://datasheet.ciiva.com/16782/70260748-16782455.pdf, ComponentLink8Description=https://datasheet.ciiva.com/16762/70260748-16762885.pdf, ComponentLink8URL=https://datasheet.ciiva.com/16762/70260748-16762885.pdf, ComponentLink9Description=https://datasheet.ciiva.com/48531/aoa0000ce2-48531063.pdf, ComponentLink9URL=https://datasheet.ciiva.com/48531/aoa0000ce2-48531063.pdf, ComponentLink10Description=https://datasheet.ciiva.com/46377/426256-46377368.pdf, ComponentLink10URL=https://datasheet.ciiva.com/46377/426256-46377368.pdf, ComponentLink11Description=https://datasheet.ciiva.com/28688/1678782-28688600.pdf, ComponentLink11URL=https://datasheet.ciiva.com/28688/1678782-28688600.pdf, Composition="Thick Film", Contact Plating=Tin, Depth=0.5mm, Height=0.35mm, Lead Free="Lead Free", Length=1mm, Military Standard=Not, Mount="Surface Mount", Number of Terminations=2, Packaging="Cut Tape", Power Rating=100mW, Pricing 1="1=0.15, 10=0.021, 50=0.021, 100=0.012, 1000=0.007, 10000=0.006 (USD)", Radiation Hardening=No, REACH SVHC="No SVHC", Stock 1=605668, Supplier 1=Mouser, Termination=SMD/SMT, Voltage Rating (DC)=50V, Weight=2.8E-05oz, Width=0.02inch
R3 R20 R21 R27: "Res Thick Film 0402 100K Ohm 1% 0.1W(1/10W) ±100ppm/C Molded SMD Automotive Punched T/R", Case/Package=0402, Case Code (Metric)=1005, Manufacturer="Panasonic ECG", Manufacturer Part Number=ERJ-2RKF1003X, Max Operating Temperature=155°C, Max Power Dissipation=100mW, Min Operating Temperature=-55°C, Package Quantity=1, Resistance=100kR, Supplier Part Number 1=667-ERJ-2RKF1003X, Temperature Coefficient=100ppm/°C, Tolerance=1%, Voltage Rating=50V, *PCBChecked=1, *SCHChecked=1, Case Code (Imperial)=0402, ComponentLink1Description=https://datasheet.ciiva.com/11821/0900766b80f80784-11821175.pdf, ComponentLink1URL=https://datasheet.ciiva.com/11821/0900766b80f80784-11821175.pdf, ComponentLink2Description=https://datasheet.ciiva.com/34303/1987038-34303550.pdf, ComponentLink2URL=https://datasheet.ciiva.com/34303/1987038-34303550.pdf, ComponentLink3Description=https://datasheet.ciiva.com/16784/70260748-16784190.pdf, ComponentLink3URL=https://datasheet.ciiva.com/16784/70260748-16784190.pdf, ComponentLink4Description=https://datasheet.ciiva.com/7830/426256-7830974.pdf, ComponentLink4URL=https://datasheet.ciiva.com/7830/426256-7830974.pdf, ComponentLink5Description=https://datasheet.ciiva.com/22723/426256-22723902.pdf, ComponentLink5URL=https://datasheet.ciiva.com/22723/426256-22723902.pdf, ComponentLink6Description=https://datasheet.ciiva.com/48531/aoa0000ce2-48531070.pdf, ComponentLink6URL=https://datasheet.ciiva.com/48531/aoa0000ce2-48531070.pdf, ComponentLink7Description=https://datasheet.ciiva.com/9186/aoa0000ce2-9186687.pdf, ComponentLink7URL=https://datasheet.ciiva.com/9186/aoa0000ce2-9186687.pdf, ComponentLink8Description=https://datasheet.ciiva.com/16778/70260748-16778055.pdf, ComponentLink8URL=https://datasheet.ciiva.com/16778/70260748-16778055.pdf, ComponentLink9Description=https://datasheet.ciiva.com/16522/aoa0000ce2-16522647.pdf, ComponentLink9URL=https://datasheet.ciiva.com/16522/aoa0000ce2-16522647.pdf, ComponentLink10Description=https://datasheet.ciiva.com/7830/aoa0000ce2-7830725.pdf, ComponentLink10URL=https://datasheet.ciiva.com/7830/aoa0000ce2-7830725.pdf, ComponentLink11Description=https://datasheet.ciiva.com/30245/aoa0000ce2-30245691.pdf, ComponentLink11URL=https://datasheet.ciiva.com/30245/aoa0000ce2-30245691.pdf, ComponentLink12Description=https://datasheet.ciiva.com/16440/aoa0000ce2-16440217.pdf, ComponentLink12URL=https://datasheet.ciiva.com/16440/aoa0000ce2-16440217.pdf, ComponentLink13Description=https://datasheet.ciiva.com/43467/1678782-43467480.pdf, ComponentLink13URL=https://datasheet.ciiva.com/43467/1678782-43467480.pdf, Composition="Thick Film", Contact Plating=Tin, Depth=0.5mm, Height=0.35mm, Lead Free="Lead Free", Length=1mm, Military Standard=Not, Mount="Surface Mount", Number of Pins=2, Number of Terminations=2, Packaging="Tape and Reel", Power Rating=100mW, Pricing 1="1=0.15, 10=0.021, 50=0.021, 100=0.012, 1000=0.007, 10000=0.006 (USD)", Radiation Hardening=No, REACH SVHC="No SVHC", Stock 1=1010747, Supplier 1=Mouser, Termination=SMD/SMT, Voltage Rating (DC)=50V, Width=0.5mm
R4 R29: "Thick Film Resistors - SMD 0.0ohm 1%", Case/Package=0402, Case Code (Metric)=1005, Manufacturer=Yageo, Manufacturer Part Number=RC0402FR-070RL, Max Operating Temperature=155°C, Min Operating Temperature=-55°C, Power Rating=62.5mW, Resistance=0R, Supplier Part Number 1=603-RC0402FR-070RL, Temperature Coefficient=200ppm/°C, Tolerance=1%, Voltage Rating=50V, *PCBChecked=1, *SCHChecked=1, Case Code (Imperial)=0402, ComponentLink1Description=https://datasheet.ciiva.com/28419/pyu-rc0402-51-rohs-l-6-28419661.pdf, ComponentLink1URL=https://datasheet.ciiva.com/28419/pyu-rc0402-51-rohs-l-6-28419661.pdf, ComponentLink2Description=https://datasheet.ciiva.com/16869/pyu-rc0402-51-rohs-l-6-16869518.pdf, ComponentLink2URL=https://datasheet.ciiva.com/16869/pyu-rc0402-51-rohs-l-6-16869518.pdf, ComponentLink3Description=https://datasheet.ciiva.com/8896/pyu-rc0402-51-rohs-l-6-8896149.pdf, ComponentLink3URL=https://datasheet.ciiva.com/8896/pyu-rc0402-51-rohs-l-6-8896149.pdf, ComponentLink4Description=https://datasheet.ciiva.com/16790/pyu-rc0402-51-rohs-l-6-r-16790444.pdf, ComponentLink4URL=https://datasheet.ciiva.com/16790/pyu-rc0402-51-rohs-l-6-r-16790444.pdf, Composition="Thick Film", Contact Plating=Tin,Matte, Height=0.35mm, Lead Free="Lead Free", Length=1mm, Packaging="Tape and Reel", Pricing 1="1=0.1, 10=0.01, 50=0.01, 100=0.003, 1000=0.002, 10000=0.002 (USD)", Radiation Hardening=No, Stock 1=112632, Supplier 1=Mouser, Termination=SMD/SMT, Width=0.5mm